# Altium PCB 四开关buck-boost主电路.PcbDoc
Units mm, origin at the board's own origin, x right, y up, seen from the top; angles counter-clockwise.
Board outline 92.5 x 62.5 mm, 2 copper layers (Top Layer, Bottom Layer); 54 components, 30 nets, 155 pads, 173 vias.
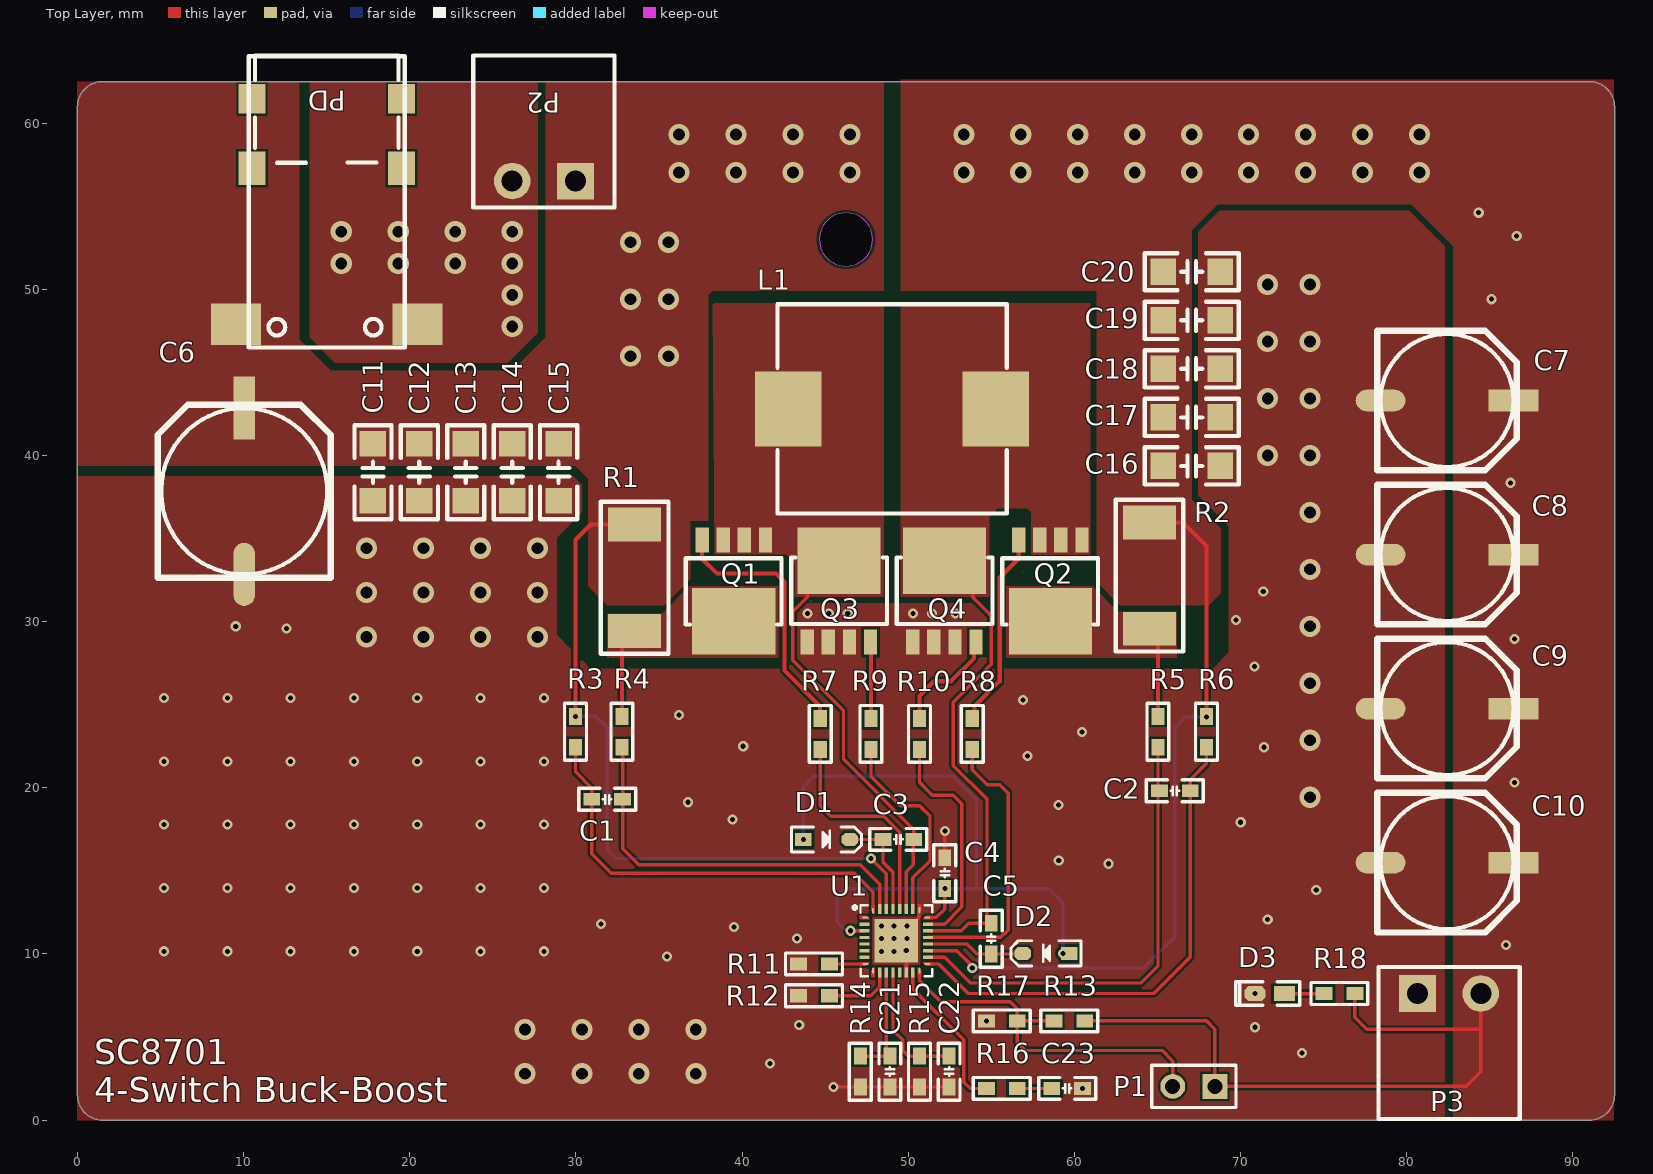
[diagram p0: Top Layer view]
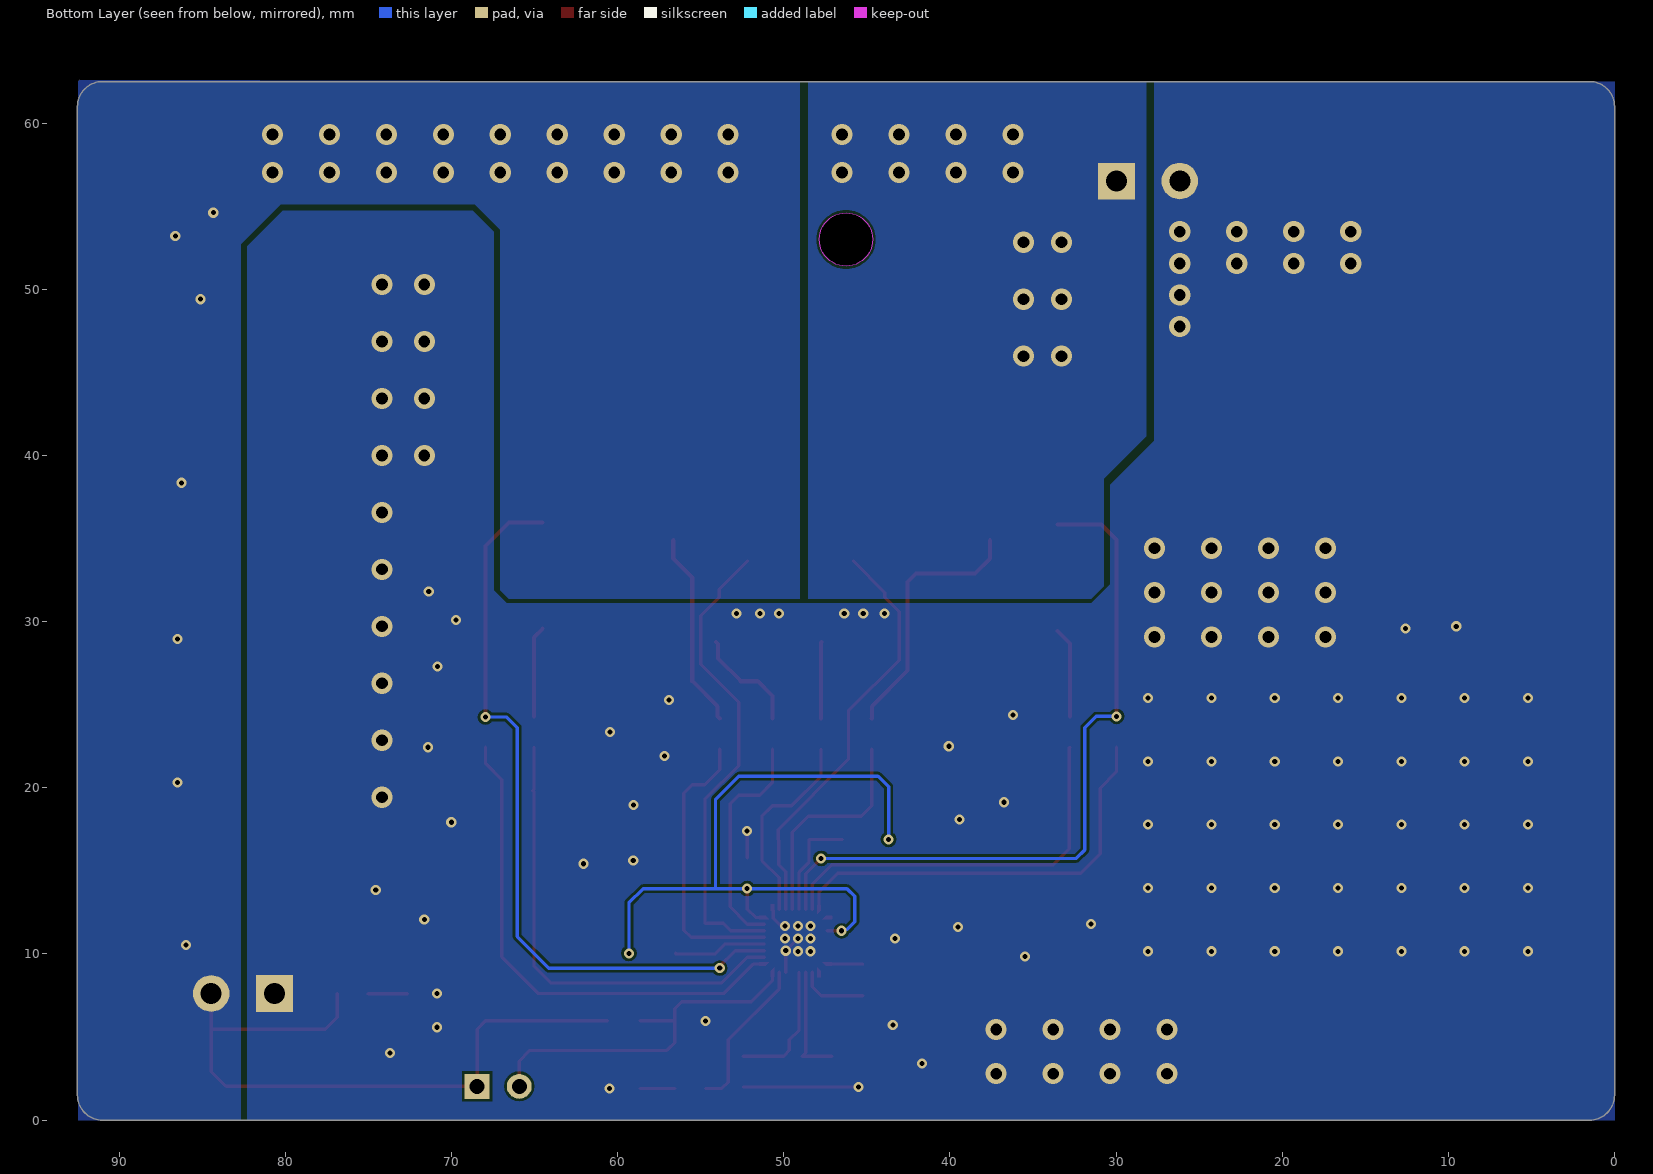
[diagram p1: Bottom Layer view, seen from below]
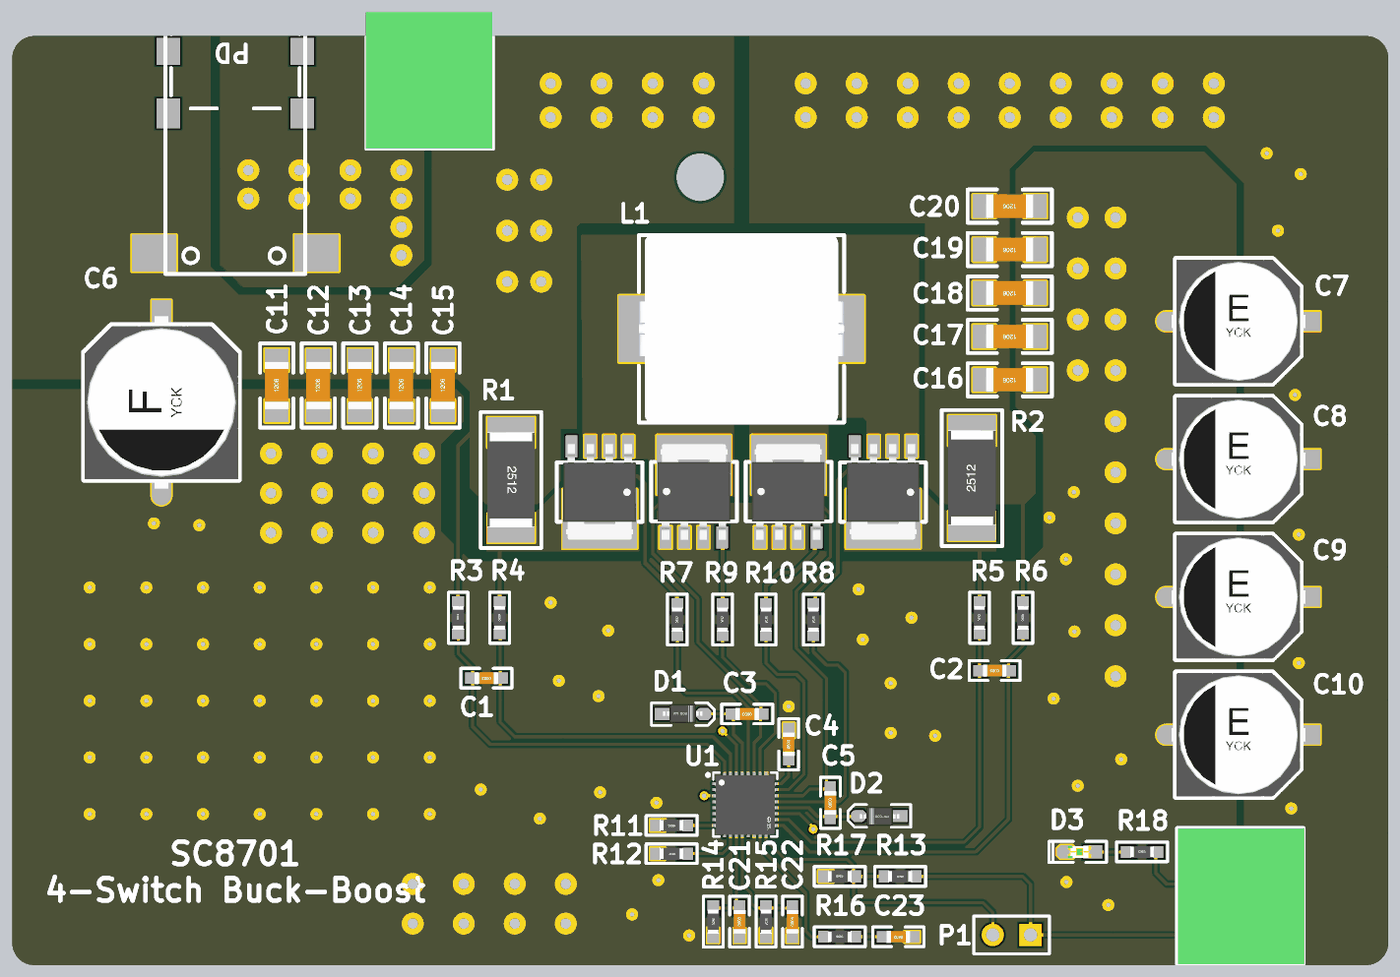
[diagram p2: 3D render of the assembled board from above, using the file's embedded part models]

## Layer stack, top to bottom
Top Solder: solder mask 0.0102, Solder Resist, Dk 3.5
Top Layer: signal copper 0.0356
Dielectric 1: dielectric 0.32, FR-4, Dk 4.8
Bottom Layer: signal copper 0.0356
Bottom Solder: solder mask 0.0102, Solder Resist, Dk 3.5

## Board outline
0,1.5 0,61 cw(c1.5,61) 1.5,62.5 91,62.5 cw(c91,61) 92.5,61 92.5,1.5 cw(c91,1.5) 91,0 1.5,0 cw(c1.5,1.5)
cut-out: 44.65,53 ccw(c46.25,53) 46.25,51.4 ccw(c46.25,53) 47.85,53 ccw(c46.25,53) 46.25,54.6 ccw(c46.25,53)

## Design rules (kind name [scope] priority, off if disabled: settings)
Clearance [All] p1: gap=0.152 ignorepadtopadclearanceinfootprint=FALSE
MinimumSolderMaskSliver [All] p1: minsoldermaskwidth=0.08
PolygonConnect [All] p1: connectstyle=Direct reliefconductorwidth=0.254 reliefentries=4 polygonreliefangle="90 Angle" airgapwidth=0.254
RoutingVias [All] p1: holewidth=0.711 width=1.27 viastyle="Through Hole" minholewidth=0.711 minwidth=1.27 maxholewidth=0.711 maxwidth=1.27
SilkToSilkClearance [All] p1 off: silktosilkclearance=0.254
SilkToSolderMaskClearance [IsPad] p1 off: minsilkscreentomaskgap=0.254 clearancetoexposedcopper=TRUE
SolderMaskExpansion [All] p1: expansion=0.102 istentingtop=FALSE
Width [All] p1: maxlimit=1.27 minlimit=0.127 preferedwidth=0.254
27 further rules are at their usual default settings.

## Classes and differential pairs
component class 四开关buck-boost主电路: C1 C2 C3 C4 C5 C6 C8 C9 C10 C11 C12 C13 C14 C15 C16 C17 C18 C19 C20 C21 C22 C23 D1 D2 D3 L1 P1 Q1 Q2 Q3 Q4 R1 R2 R3 R4 R5 R6 R7 R8 R9 R10 R11 R12 R13 R14 R15 R16 R17 R18 U1

## Components (designator, comment, footprint, x,y, rotation, side; value= is the part's Value field where it differs from the comment)
C1 "47p" "C 0603_M" 31.877,19.304 r180 top
C2 "47p" "C 0603_M" 66.04,19.812 r180 top
C3 "100n" "C 0603_M" 49.403,16.891 r180 top
C4 "10u" "C 0603_M" 52.197,14.859 r90 top
C5 "100n" "C 0603_M" 54.991,10.922 r90 top
C6 "220u" "CM F(10*10.2)" 10.033,37.846 r90 top
C7 "100u" "CM E(8*10.2)" 82.423,43.307 r0 top
C8 "100u" "CM E(8*10.2)" 82.423,34.036 r0 top
C9 "100u" "CM E(8*10.2)" 82.423,24.765 r0 top
C10 "100u" "CM E(8*10.2)" 82.423,15.494 r0 top
C11 "10u" "C 1206_M" 17.78,38.989 r90 top
C12 "10u" "C 1206_M" 20.574,38.989 r90 top
C13 "10u" "C 1206_M" 23.368,38.989 r90 top
C14 "1u" "C 1206_M" 26.162,38.989 r90 top
C15 "1u" "C 1206_M" 28.956,38.989 r90 top
C16 "1u" "C 1206_M" 67.056,39.37 r180 top
C17 "1u" "C 1206_M" 67.056,42.291 r180 top
C18 "10u" "C 1206_M" 67.056,45.212 r180 top
C19 "10u" "C 1206_M" 67.056,48.133 r180 top
C20 "10u" "C 1206_M" 67.056,51.054 r180 top
C21 "10n" "C 0603_M" 48.895,2.921 r90 top
C22 "10n" "C 0603_M" 52.451,2.921 r90 top
C23 "47n" "C 0603_M" 59.563,1.905 r180 top
D1 "1N4148" SOD-323 45.085,16.891 r0 top
D2 "1N4148" SOD-323 58.293,10.033 r180 top
D3 "LED" "LED 0603G" 71.755,7.62 r180 top
L1 "10uH 10A" IND-SMD_L13.8-W12.6_SMMS1360 49.022,42.799 r0 top
P1 "Header 2" HDR1X2 68.453,2.032 r180 top
P2 "Comment" CONN-TH_2P-P3.81_WJ15EDGRC-3.81-2P 28.067,56.515 r180 top
P3 "Comment" CONN-TH_2P-P3.81_WJ15EDGRC-3.81-2P 82.55,7.62 r0 top
PD "PD2.0/3.0诱骗器TYPE-C" ? 15,64.019 r0 top
Q1 "PSMN8R5-60YS" SOT669 41.529,35.052 r180 top
Q2 "PSMN8R5-60YS" SOT669 60.579,35.052 r180 top
Q3 "PSMN8R5-60YS" SOT669 43.79,28.62 r0 top
Q4 "PSMN8R5-60YS" SOT669 50.14,28.62 r0 top
R1 "0.005" "R 2512_M" 33.528,32.639 r270 top
R2 "0.005" "R 2512_M" 64.516,32.766 r90 top
R3 "500" "R 0603_M" 29.972,23.368 r90 top
R4 "500" "R 0603_M" 32.766,23.368 r90 top
R5 "500" "R 0603_M" 65.024,23.368 r90 top
R6 "500" "R 0603_M" 67.945,23.368 r90 top
R7 "4.7" "R 0603_M" 44.704,23.241 r90 top
R8 "4.7" "R 0603_M" 53.848,23.241 r270 top
R9 "4.7" "R 0603_M" 47.752,23.241 r90 top
R10 "4.7" "R 0603_M" 50.673,23.241 r270 top
R11 "68K" "R 0603_M" 44.323,9.398 r180 top
R12 "0" "R 0603_M" 44.323,7.493 r180 top
R13 "12K" "R 0603_M" 59.69,5.969 r180 top
R14 "12K" "R 0603_M" 47.117,2.921 r270 top
R15 "12K" "R 0603_M" 50.673,2.921 r270 top
R16 "10K" "R 0603_M" 55.626,1.905 r0 top
R17 "1.5K" "R 0603_M" 55.626,5.969 r0 top
R18 "10K" "R 0603_M" 75.946,7.62 r0 top
U1 "SC8701QDER" QFN-32_L4.0-W4.0-P0.4-BL-EP2.6 49.276,10.795 r270 top

## Footprints (in the part's own frame and the unit in brackets; to place one, negate y for a bottom-side part, rotate by r counter-clockwise, add the part's x,y. Pads: shape width x height; smd on the part's side, far side on the other; paste and mask are expansions set on the pad)
"C 0603_M" [mil] "无极性贴片电容                                淘宝ID:黄晶宝石"
  rect 40x30 smd: 1(-36.5,0) 2(36.5,0)
  silkscreen extent -68,-26 68,26, body extent -31,-16 31,16, height 32
"C 1206_M" [mil] "无极性贴片电容"
  rect 60x62.99 smd: 1(-67.5,0) 2(67.5,0)
  silkscreen extent -112,-44 112,44, body extent -63,-32 63,32, height 48
"CM E(8*10.2)" [mm] "贴片电解电容，直径8mm，高10.2mm        淘宝ID:黄晶宝石"
  rect 3x1.3 smd: 1(4,0)
  oval 3x1.3 smd: 2(-4,0)
  silkscreen extent -4.2,-4.2 4.2,4.2, body extent -4.5,-4.15 4.5,4.15, height 10.2
"CM F(10*10.2)" [mm] "贴片电解电容，直径10mm，高10.2mm    淘宝ID:黄晶宝石"
  rect 3.8x1.3 smd: 1(5,0)
  oval 3.8x1.3 smd: 2(-5,0)
  silkscreen extent -5.2,-5.2 5.2,5.2, body extent -5.8,-5.15 5.8,5.15, height 10.2
CONN-TH_2P-P3.81_WJ15EDGRC-3.81-2P [mm]
  rect 2.2x2.2 hole 1.26: 1(-1.905,0)
  round 2.2 hole 1.26: 2(1.905,0)
  silkscreen extent -4.25,-7.55 4.25,1.6, body extent -4.19,-7.57 4.31,1.58, height 7.03
HDR1X2 [mm] "Connector; Header; 2 Position"
  rect 1.5x1.5 hole 0.9: 1(0,0)
  round 1.5 hole 0.9: 2(2.54,0)
  silkscreen extent -1.27,-1.27 3.81,1.27
IND-SMD_L13.8-W12.6_SMMS1360 [mm]
  rect 4x4.5 smd: 1(-6.25,0) 2(6.25,0)
  silkscreen extent -6.9,-6.3 6.9,6.3, body extent -6.91,-6.3 6.9,6.3, height 7.15
"LED 0603G" [mil] "绿色0603LED                                   淘宝ID:黄晶宝石"
  rect 50x35 smd: 1(-35,0.26)
  oct 50x35 smd: 2(35,0.26)
  silkscreen extent -71,-28 81,28, body extent -31,-16 32,16, height 18
QFN-32_L4.0-W4.0-P0.4-BL-EP2.6 [mm]
  oval 0.12x0.36 smd: 1(-1.4,-1.85) 8(1.4,-1.85) 17(1.4,1.85) 24(-1.4,1.85)
  rect 0.2x0.6 smd paste-100 mask+0.05: 2(-1,-1.9) 3(-0.6,-1.9) 4(-0.2,-1.9) 5(0.2,-1.9) 6(0.6,-1.9) 7(1,-1.9) 18(1,1.9) 19(0.6,1.9) 20(0.2,1.9) 21(-0.2,1.9) 22(-0.6,1.9) 23(-1,1.9)
  oval 0.36x0.12 smd: 9(1.8,-1.4) 16(1.8,1.4) 25(-1.85,1.4)
  rect 0.6x0.2 smd paste-100 mask+0.05: 10(1.9,-1) 11(1.9,-0.6) 12(1.9,-0.2) 13(1.9,0.2) 14(1.9,0.6) 15(1.9,1) 26(-1.9,1) 27(-1.9,0.6) 28(-1.9,0.2) 29(-1.9,-0.2) 30(-1.9,-0.6) 31(-1.9,-1)
  oval 0.33x0.12 smd: 32(-1.8,-1.4)
  rect 2.642x2.642 smd paste-100 mask+0.05: 33(0,0)
  Top Layer region: -1.6,1.3 -2.2,1.3 -2.2,1.5 -1.8,1.5 -1.6,1.3
  Top Layer region: -1.3,-1.6 -1.3,-2.2 -1.5,-2.2 -1.5,-1.8 -1.3,-1.6
  Top Layer region: -1.8,-1.5 -2.15,-1.5 -2.15,-1.3 -1.6,-1.3 -1.8,-1.5
  Top Layer region: 1.3,1.6 1.3,2.2 1.5,2.2 1.5,1.8 1.3,1.6
  Top Layer region: 1.8,1.5 2.2,1.5 2.2,1.3 1.6,1.3 1.8,1.5
  Top Layer region: 1.6,-1.3 2.2,-1.3 2.2,-1.5 1.8,-1.5 1.6,-1.3
  Top Layer region: 1.5,-1.8 1.5,-2.2 1.3,-2.2 1.3,-1.6 1.5,-1.8
  Top Layer region: -1.5,1.8 -1.5,2.2 -1.3,2.2 -1.3,1.6 -1.5,1.8
  silkscreen extent -2.15,-2.6 2.15,2.15, body extent -1.99,-2.01 2.03,2.01, height 0.82
"R 0603_M" [mil] "1/10W贴片电阻                             淘宝ID:黄晶宝石"
  rect 40x31.5 smd: 1(-36.5,0) 2(36.5,0)
  silkscreen extent -68,-26 68,26, body extent -31,-16 32,16, height 16
"R 2512_M" [mm] "1W贴片电阻  淘宝ID:黄晶宝石"
  rect 2.032x3.2 smd: 1(-3.2,0) 2(3.2,0)
  silkscreen extent -4.57,-2.03 4.57,2.03, body extent -3.2,-1.6 3.2,1.6, height 0.55
SOD-323 [mm] "1.8x1.3X0.9mm（长宽高，不包括引脚）"
  rect 1x0.8 smd: 1(-1.4,0)
  oct 1x0.8 smd: 2(1.4,0)
  silkscreen extent -2.11,-0.76 2.11,0.76, body extent -1.34,-0.63 1.31,0.67, height 1
SOT669 [mm] "IFPAK       淘宝ID:黄晶宝石"
  rect 0.8x1.5 smd: 1(3.937,0.152) 3(0.127,0.152) 3(1.397,0.152) 3(2.667,0.152)
  rect 5x4 smd: 2(2.032,5.029)
  silkscreen extent -0.84,1.24 4.93,5.23, body extent -0.42,0 4.48,6.43, height 1.55
? [mm]
  rect 1.6x1.8 smd paste+0 mask+0.102: 1(-4.5,-2.551) 2(4.5,-2.551)
  rect 1.6x2 smd paste+0 mask+0.102: 3(4.5,-6.731) 4(-4.5,-6.731)
  rect 3x2.5 smd paste+0 mask+0.102: GND(5.461,-16.129) VIN(-5.461,-16.129)
  silkscreen extent -4.7,-17.53 4.7,0.05

## Part data
C1 C2 C3 C4 C5 C11 C12 C13 C14 C15 C16 C17 C18 C19 C20 C21 C22 C23: library part C, "贴片电容", BOM名称=无极性贴片电容, 唯一出售店铺网址=https://shop463601444.taobao.com, 淘宝ID="封装库来自淘宝 ID：黄晶宝石", 联系售后，技术支持=https://shop463601444.taobao.com
C6 C7 C8 C9 C10: library part CE, "直插电解电容", BOM名称=直插电解电容, 淘宝ID="封装库来自淘宝 ID：黄晶宝石", 联系售后=https://item.taobao.com/item.htm?id=566775463719
D1 D2: library part Diode, "Default Diode", Code_JEDEC=DO-214-AB, LatestRevisionDate=17-Jul-2002, LatestRevisionNote="Re-released for DXP Platform.", PackageDescription="DO-214-AB/SMC; 2 C-Bend Leads; Body 7.9 x 5.9 mm, inc. leads (LxW)", PackageReference=SMC, PackageVersion=Sep-1996, Published=8-Jun-2000, Publisher="Altium Limited"
D3: "发光二极管", 技术支持，联系售后=https://shop463601444.taobao.com
L1: library part L, "小功率贴片电感", BOM名称=小功率贴片电感, 封装库来自淘宝卖家 ID：黄晶宝石=其他店铺购入均为盗版，不享受售后技术支持服务，请立即申请退款, 淘宝ID="封装库来自淘宝 ID：黄晶宝石", 联系售后=https://item.taobao.com/item.htm?id=566775463719
P1: "Header, 2-Pin", LatestRevisionDate=17-Jul-2002, LatestRevisionNote="Re-released for DXP Platform.", Publisher="Altium Limited"
Q1 Q2 Q3 Q4: library part IRF840, "N沟场效应管", ="封装库来自淘宝 ID：黄晶宝石", BOM名称=N沟场效应管, 技术支持，联系售后=https://item.taobao.com/item.htm?id=566775463719
R1 R2 R3 R4 R5 R6 R7 R8 R9 R10 R11 R12 R13 R14 R15 R16 R17 R18: library part R, "贴片电阻", BOM名称=贴片电阻, 封装库来自淘宝卖家 ID：黄晶宝石=其他店铺购入均为盗版，不享受售后技术支持服务，请立即申请退款, 版权归属="来自淘宝 ID：黄晶宝石", 联系售后=https://item.taobao.com/item.htm?id=566775463719
U1: JLCPCB Part Class="Extended Part", Manufacturer=SOUTHCHIP(南芯), Add into BOM=yes, Convert to PCB=yes, Datasheet=https://atta.szlcsc.com/upload/public/pdf/source/20180730/C252410_00C0301B447132D4D315788CEB176516.pdf, Device=SC8701QDER, LCSC Part Name=SC8701QDER, Manufacturer Part=SC8701QDER, Supplier=LCSC, Supplier Footprint=QFN-32-EP(4x4), Supplier Part=C252410, Symbol=SC8701QDER

## Via types
v1: diameter 0.61, hole 0.305, Top Layer to Bottom Layer, 97 vias
v2: diameter 1.27, hole 0.711, Top Layer to Bottom Layer, 76 vias

## Nets (pads, with @x,y where several pads share a name; then routed paths per layer and width w, separated by ;. In a path a pad name is that pad's centre, name@x,y a point inside that pad or via, vN(x,y) a via of type N, cw(c..) or ccw(c..) an arc to the next point about the centre after c; other vN are vias at no path point)
FB: P1.2 R13.2 R17.2 U1.16 | length 22.6
  Top Layer w0.203: U1.16 50.676,8.379 51.943,7.112 56.134,7.112 56.553,6.693 R17.2 ; R13.2@58.636,5.969 R17.2 ; P1.2 65.913,3.556 65.278,4.191 57.023,4.191 56.553,4.661 R17.2
GND: C4.2 C6.2 C7.2 C8.2 C9.2 C10.2 C11.1 C12.1 C13.1 C14.1 C15.1 C16.1 C17.1 C18.1 C19.1 C20.1 C21.1 C22.1 C23.1 D3.2 P2.2 P3.1 PD.GND Q3.3 Q4.3 R11.2 R12.2 R14.2 R15.2 R17.1 U1.14 U1.25 U1.33 | length 12.1
  Top Layer w0.203: v1(45.504,1.994) R14.2 C21.1 R15.2 C22.1 ; U1.33 v1(49.876,10.195) U1.14 ; v1(49.911,11.684) 50.165,11.684 50.622,12.141 50.622,12.282 50.63,12.29 50.63,12.479 50.635,12.483 50.635,12.603 U1.25 ; C4.2 v1(52.197,17.399)
  other v1: 60.49,1.905 41.668,3.408 73.684,4.041 70.866,5.588 43.434,5.715 54.699,5.969 70.866,7.613 35.467,9.854 5.207,10.16 9.017,10.16 12.827,10.16 16.637,10.16 20.447,10.16 24.257,10.16 28.067,10.16 48.387,10.16 49.149,10.16 43.307,10.922 48.387,10.922 49.149,10.922 49.911,10.922 39.519,11.622 48.387,11.684 49.149,11.684 31.496,11.811 71.628,12.065 74.549,13.843 5.207,13.97 9.017,13.97 12.827,13.97 16.637,13.97 20.447,13.97 24.257,13.97 28.067,13.97 62.041,15.43 59.055,15.621 5.207,17.78 9.017,17.78 12.827,17.78 16.637,17.78 20.447,17.78 24.257,17.78 28.067,17.78 70.004,17.928 39.411,18.095 59.049,18.966 36.745,19.129 5.207,21.59 9.017,21.59 12.827,21.59 16.637,21.59 20.447,21.59 24.257,21.59 28.067,21.59 57.172,21.903 71.406,22.439 40.063,22.502 60.452,23.368 36.195,24.384 56.896,25.273 5.207,25.4 9.017,25.4 12.827,25.4 16.637,25.4 20.447,25.4 24.257,25.4 28.067,25.4 70.836,27.302 12.573,29.591 9.525,29.718 69.723,30.099 43.942,30.48 45.212,30.48 46.355,30.48 50.292,30.48 51.435,30.48 52.832,30.48 71.362,31.814
  other v2: 26.924,2.794 30.353,2.794 33.782,2.794 37.211,2.794 26.924,5.461 30.353,5.461 33.782,5.461 37.211,5.461 74.168,19.431 74.168,22.86 74.168,26.289 17.399,29.083 20.828,29.083 24.257,29.083 27.686,29.083 74.168,29.718 17.399,31.75 20.828,31.75 24.257,31.75 27.686,31.75 74.168,33.147 17.399,34.417 20.828,34.417 24.257,34.417 27.686,34.417 74.168,36.576 71.628,40.005 74.168,40.005 71.628,43.434 74.168,43.434 71.628,46.863 74.168,46.863 26.162,47.752 26.162,49.657 71.628,50.292 74.168,50.292 15.875,51.562 19.304,51.562 22.733,51.562 26.162,51.562 15.875,53.467 19.304,53.467 22.733,53.467 26.162,53.467
NetC1_1: C1.1 R4.1 U1.31 | length 24
  Top Layer w0.203: R4.1 32.804,22.403 C1.1 32.804,16.345 33.782,15.367 47.117,15.367 48.276,14.208 U1.31
NetC1_2: C1.2 R3.1 U1.32 | length 25.5
  Top Layer w0.203: R3.1 29.972,20.955 30.95,19.977 C1.2 30.95,16.04 32.131,14.859 46.736,14.859 47.876,13.719 47.876,12.945
NetC2_1: C2.1 R6.1 U1.17 | length 30.2
  Top Layer w0.203: 51.476,9.395 51.819,9.395 53.594,7.62 64.77,7.62 66.967,9.817 C2.1 66.967,20.485 67.945,21.463 R6.1
NetC2_2: C2.2 R5.1 U1.18 | length 28.2
  Top Layer w0.203: U1.18 52.181,9.795 53.721,8.255 64.008,8.255 65.024,9.271 65.024,19.723 C2.2 65.024,19.901 R5.1
NetC3_1: C3.1 L1.1 Q1.3 Q3.2 U1.27 | length 25.3
  Top Layer w0.203: Q3.2 45.808,33.65 43.91,31.751 43.91,31.464 43.053,30.607 43.053,27.686 46.101,24.638 46.101,21.717 50.33,17.488 C3.1 50.292,16.853 50.292,15.367 49.876,14.951 U1.27
NetC3_2: C3.2 D1.2 U1.29 | length 6.4
  Top Layer w0.203: D1.2 C3.2 48.476,15.532 49.076,14.932 U1.29
NetC5_1: C5.1 D2.2 U1.20 | length 5.6
  Top Layer w0.203: U1.20 53.54,10.595 54.14,9.995 54.737,9.995 56.474,9.995 D2.2@56.512,10.033
NetC5_2: C5.2 L1.2 Q2.3 Q4.2 U1.22 | length 28.5
  Top Layer w0.203: U1.22 53.178,11.395 53.632,11.849 54.737,11.849 54.737,19.304 52.705,21.336 52.705,25.146 54.991,27.432 54.991,30.353 53.88,31.464 53.88,31.941 Q4.2
NetC21_2: C21.2 R14.1 U1.11 | length 6.9
  Top Layer w0.203: R14.1 C21.2 48.676,4.067 U1.11
NetC22_2: C22.2 R15.1 U1.12 | length 7.9
  Top Layer w0.203: U1.12 49.076,5.407 49.657,4.826 49.657,4.191 50,3.848 R15.1 C22.2
NetC23_2: C23.2 R16.2 | length 2.1
  Top Layer w0.203: R16.2 C23.2
NetD3_1: D3.1 R18.1 | length 2.4
  Top Layer w0.203: D3.1 75.012,7.613 R18.1
NetQ1_1: Q1.1 R7.2 | length 15.8
  Top Layer w0.254: Q1.1 37.592,33.782 38.481,32.893 42.037,32.893 42.545,32.385 42.545,27.051 44.688,24.908 44.688,24.184 R7.2
NetQ1_2: Q1.2 R1.2 R4.2 | length 5.5
  Top Layer w0.254: R4.2 32.766,28.677 R1.2
NetQ2_1: Q2.1 R8.1 | length 11.9
  Top Layer w0.254: R8.1 53.991,24.311 53.991,24.908 55.499,26.416 55.499,32.639 56.642,33.782 Q2.1
NetQ2_2: Q2.2 R2.1 R5.2 | length 5.5
  Top Layer w0.254: R2.1 65.024,29.058 R5.2
NetQ3_1: Q3.1 R9.2 | length 4.6
  Top Layer w0.254: Q3.1 47.752,28.747 R9.2
NetQ4_1: Q4.1 R10.1 | length 6.6
  Top Layer w0.254: R10.1 50.673,25.527 51.562,26.416 52.578,26.416 53.953,27.791 53.953,28.649 Q4.1
NetR7_1: R7.1 U1.28 | length 13.5
  Top Layer w0.203: R7.1 44.704,18.923 45.339,18.288 48.514,18.288 49.476,17.326 U1.28
NetR8_2: R8.2 U1.21 | length 17.2
  Top Layer w0.203: U1.21 55.572,10.995 56.007,11.43 56.007,19.685 55.499,20.193 54.737,20.193 53.848,21.082 R8.2
NetR9_1: R9.1 U1.26 | length 12.2
  Top Layer w0.203: R9.1 47.752,20.701 49.53,18.923 50.673,18.923 51.308,18.288 51.308,15.621 50.276,14.589 U1.26
NetR10_2: R10.2 U1.23 | length 13.7
  Top Layer w0.203: R10.2 50.673,20.32 51.435,19.558 52.705,19.558 53.213,19.05 53.213,12.827 52.181,11.795 U1.23
NetR11_1: R11.1 U1.8 | length 2.2
  Top Layer w0.203: R11.1 45.253,9.395 U1.8
NetR12_1: R12.1 U1.10 | length 4.1
  Top Layer w0.203: R12.1 47.752,7.493 48.276,8.017 U1.10
NetR16_1: R16.1 U1.15 | length 9.4
  Top Layer w0.203: U1.15 50.276,7.89 53.34,4.826 53.34,2.286 53.721,1.905 R16.1
VCC: C4.1 D1.1 D2.1 U1.3 U1.24 | length 42.9
  Top Layer w0.203: v1(46.517,11.395) U1.3 ; U1.24 51.692,12.195 52.197,12.7 v1(52.197,13.932)
  Bottom Layer w0.203: v1(43.685,16.891) 43.685,20.063 44.323,20.701 52.705,20.701 54.102,19.304 54.102,13.932 ; v1(46.517,11.395) 46.439,11.473 46.185,11.473 45.72,11.938 45.72,13.462 46.19,13.932 v1(52.197,13.932) 54.102,13.932 ; v1(59.312,10.033) 59.312,13.078 58.458,13.932 54.102,13.932
VIN: C6.1 C11.2 C12.2 C13.2 C14.2 C15.2 P2.1 PD.VIN R1.1 R3.2 U1.30 | length 43.6
  Top Layer w0.203: v1(47.752,15.748) 48.676,14.824 U1.30
  Top Layer w0.254: v1(29.972,24.295) 29.972,34.925 30.886,35.839 R1.1
  Bottom Layer w0.203: v1(29.972,24.295) 31.026,24.295 31.031,24.3 31.199,24.3 31.877,23.622 31.877,16.256 32.385,15.748 v1(47.752,15.748)
  other v2: 33.274,45.974 35.56,45.974 33.274,49.403 35.56,49.403 33.274,52.832 35.56,52.832 36.195,57.023 39.624,57.023 43.053,57.023 46.482,57.023 36.195,59.309 39.624,59.309 43.053,59.309 46.482,59.309
VOUT: C7.1 C8.1 C9.1 C10.1 C16.2 C17.2 C18.2 C19.2 C20.2 P1.1 P3.2 R2.2 R6.2 R13.1 R18.2 U1.19 | length 87
  Top Layer w0.203: U1.19 52.927,10.195 53.848,9.274 v1(53.848,9.144) ; R13.1 67.945,5.969 68.453,5.461 P1.1 83.566,2.032 84.455,2.921 84.455,5.461 ; R18.2 76.873,6.185 77.597,5.461 84.455,5.461 ; P3.2 84.455,5.461
  Top Layer w0.254: R2.2 66.523,35.966 67.945,34.544 R6.2
  Bottom Layer w0.203: v1(53.848,9.144) 64.135,9.144 66.04,11.049 66.04,23.622 66.675,24.257 v1(67.945,24.257)
  other v1: 85.979,10.541 86.487,20.32 86.487,28.956 86.233,38.354 85.09,49.403 86.614,53.213 84.328,54.61
  other v2: 53.34,57.023 56.769,57.023 60.198,57.023 63.627,57.023 67.056,57.023 70.485,57.023 73.914,57.023 77.343,57.023 80.772,57.023 53.34,59.309 56.769,59.309 60.198,59.309 63.627,59.309 67.056,59.309 70.485,59.309 73.914,59.309 77.343,59.309 80.772,59.309
pads on no net: PD.1 PD.2 PD.3 PD.4 U1.1 U1.2 U1.4 U1.5 U1.6 U1.7 U1.9 U1.13

## Polygon pours and split planes (outlines as drawn)
GND on Top Layer "Top Layer-GND2" (solid, remove dead copper, pour order 11): 0,38.735 29.845,38.735 30.353,38.227 30.353,36.576 28.836,35.059 28.836,29.203 30.861,27.178 42.545,27.178 43.18,27.813 43.18,31.115 54.864,31.115 54.864,27.813 55.499,27.178 68.326,27.178 69.29,28.142 69.29,35.739 67.437,37.592 67.437,53.467 68.707,54.737 80.137,54.737 82.296,52.578 82.296,0 0,0
VOUT on Top Layer "Top Layer-vout2" (solid, pour order 10): 49.53,49.911 62.23,49.911 62.23,62.484 62.103,62.611 49.53,62.611
VIN on Top Layer "Top Layer-vin2" (solid, pour order 9): 36.703,36.068 37.973,36.068 37.973,49.657 38.227,49.911 48.514,49.911 48.514,62.484 36.757,62.484
GND on Top Layer "Top Layer-GND2" (solid, pour order 8): 27.686,62.484 27.686,47.371 25.908,45.593 15.494,45.593 13.97,47.117 13.97,62.484
VOUT on Top Layer "Top Layer-VOUT" (solid, pour order 7): 82.804,0 82.804,52.578 80.264,55.118 68.627,55.118 67.056,53.547 67.056,37.341 68.797,35.601 68.797,31.713 68.072,30.988 62.738,30.988 61.341,32.385 61.341,62.611 92.456,62.611 92.456,0
VIN on Top Layer "Top Layer-VIN" (solid, pour order 6): 31.877,30.988 35.306,30.988 36.869,32.551 36.869,62.449 36.884,62.463 36.863,62.484 28.194,62.484 28.194,47.117 26.162,45.085 15.24,45.085 13.335,46.99 13.335,62.484 0,62.484 0,39.37 0.021,39.391 29.951,39.391 30.734,38.608 30.734,32.131
NetC3_1 on Top Layer "TOP-NetC3_1" (solid, pour order 1): 38.354,34.036 38.377,34.059 42.649,34.059 43.18,33.528 43.18,31.496 48.514,31.496 48.514,37.084 48.514,45.593 48.514,49.149 38.227,49.149
NetQ2_2 on Top Layer "TOP-NetQ2_2" (solid, pour order 5): 55.88,32.131 55.88,27.813 66.167,27.813 66.167,30.607 62.611,30.607 61.087,32.131
NetQ1_2 on Top Layer "TOP-NetQ1_2" (solid, pour order 4): 42.164,32.131 42.164,27.813 31.877,27.813 31.877,30.48 35.179,30.48 36.83,32.131
NetC5_2 on Top Layer "TOP-NetC5_2" (solid, pour order 2): 49.53,31.496 54.864,31.496 54.864,36.322 55.372,36.83 57.15,36.83 57.404,36.576 57.404,34.036 60.96,34.036 60.96,49.149 49.53,49.149 49.53,45.593 49.53,37.084
GND on Bottom Layer "Top Layer-GND2" (solid, remove dead copper, pour order 12): 27.686,62.484 27.686,40.894 30.353,38.227 30.353,32.258 31.496,31.115 66.675,31.115 67.437,31.877 67.437,53.467 68.707,54.737 80.137,54.737 82.296,52.578 82.296,0 0,0 0,62.484
VOUT on Bottom Layer "Top Layer-GND2" (solid, pour order 14): 49.022,62.484 49.022,31.369 66.548,31.369 67.056,31.877 67.056,53.594 68.58,55.118 80.264,55.118 82.677,52.705 82.677,0 92.456,0 92.456,62.611
VIN on Bottom Layer "Top Layer-GND2" (solid, pour order 13): 28.194,62.484 28.194,41.148 30.734,38.608 30.734,32.131 31.496,31.369 48.514,31.369 48.514,62.484

## Silkscreen, mask and mechanical layers (free items; w line width, h text height)
Top Overlay:
  text "SC8701 / 4-Switch Buck-Boost" at 1.02,1.073 h1.52
Bottom Solder:
  the board outline again, w0.508
Mechanical 1:
  circle w0.254: c46.25,53 r1.6